# Altium PCB ANALOG_Mezzanine.PcbDoc (part 3 of 3)
Units mm, origin at the board's own origin, x right, y up, seen from the top; angles counter-clockwise.
Board outline 133.2 x 100 mm, 4 copper layers (Top Layer, Mid-Layer 1, Mid-Layer 2, Bottom Layer), stack 2.051 mm thick; 365 components, 255 nets, 1154 pads, 339 vias.
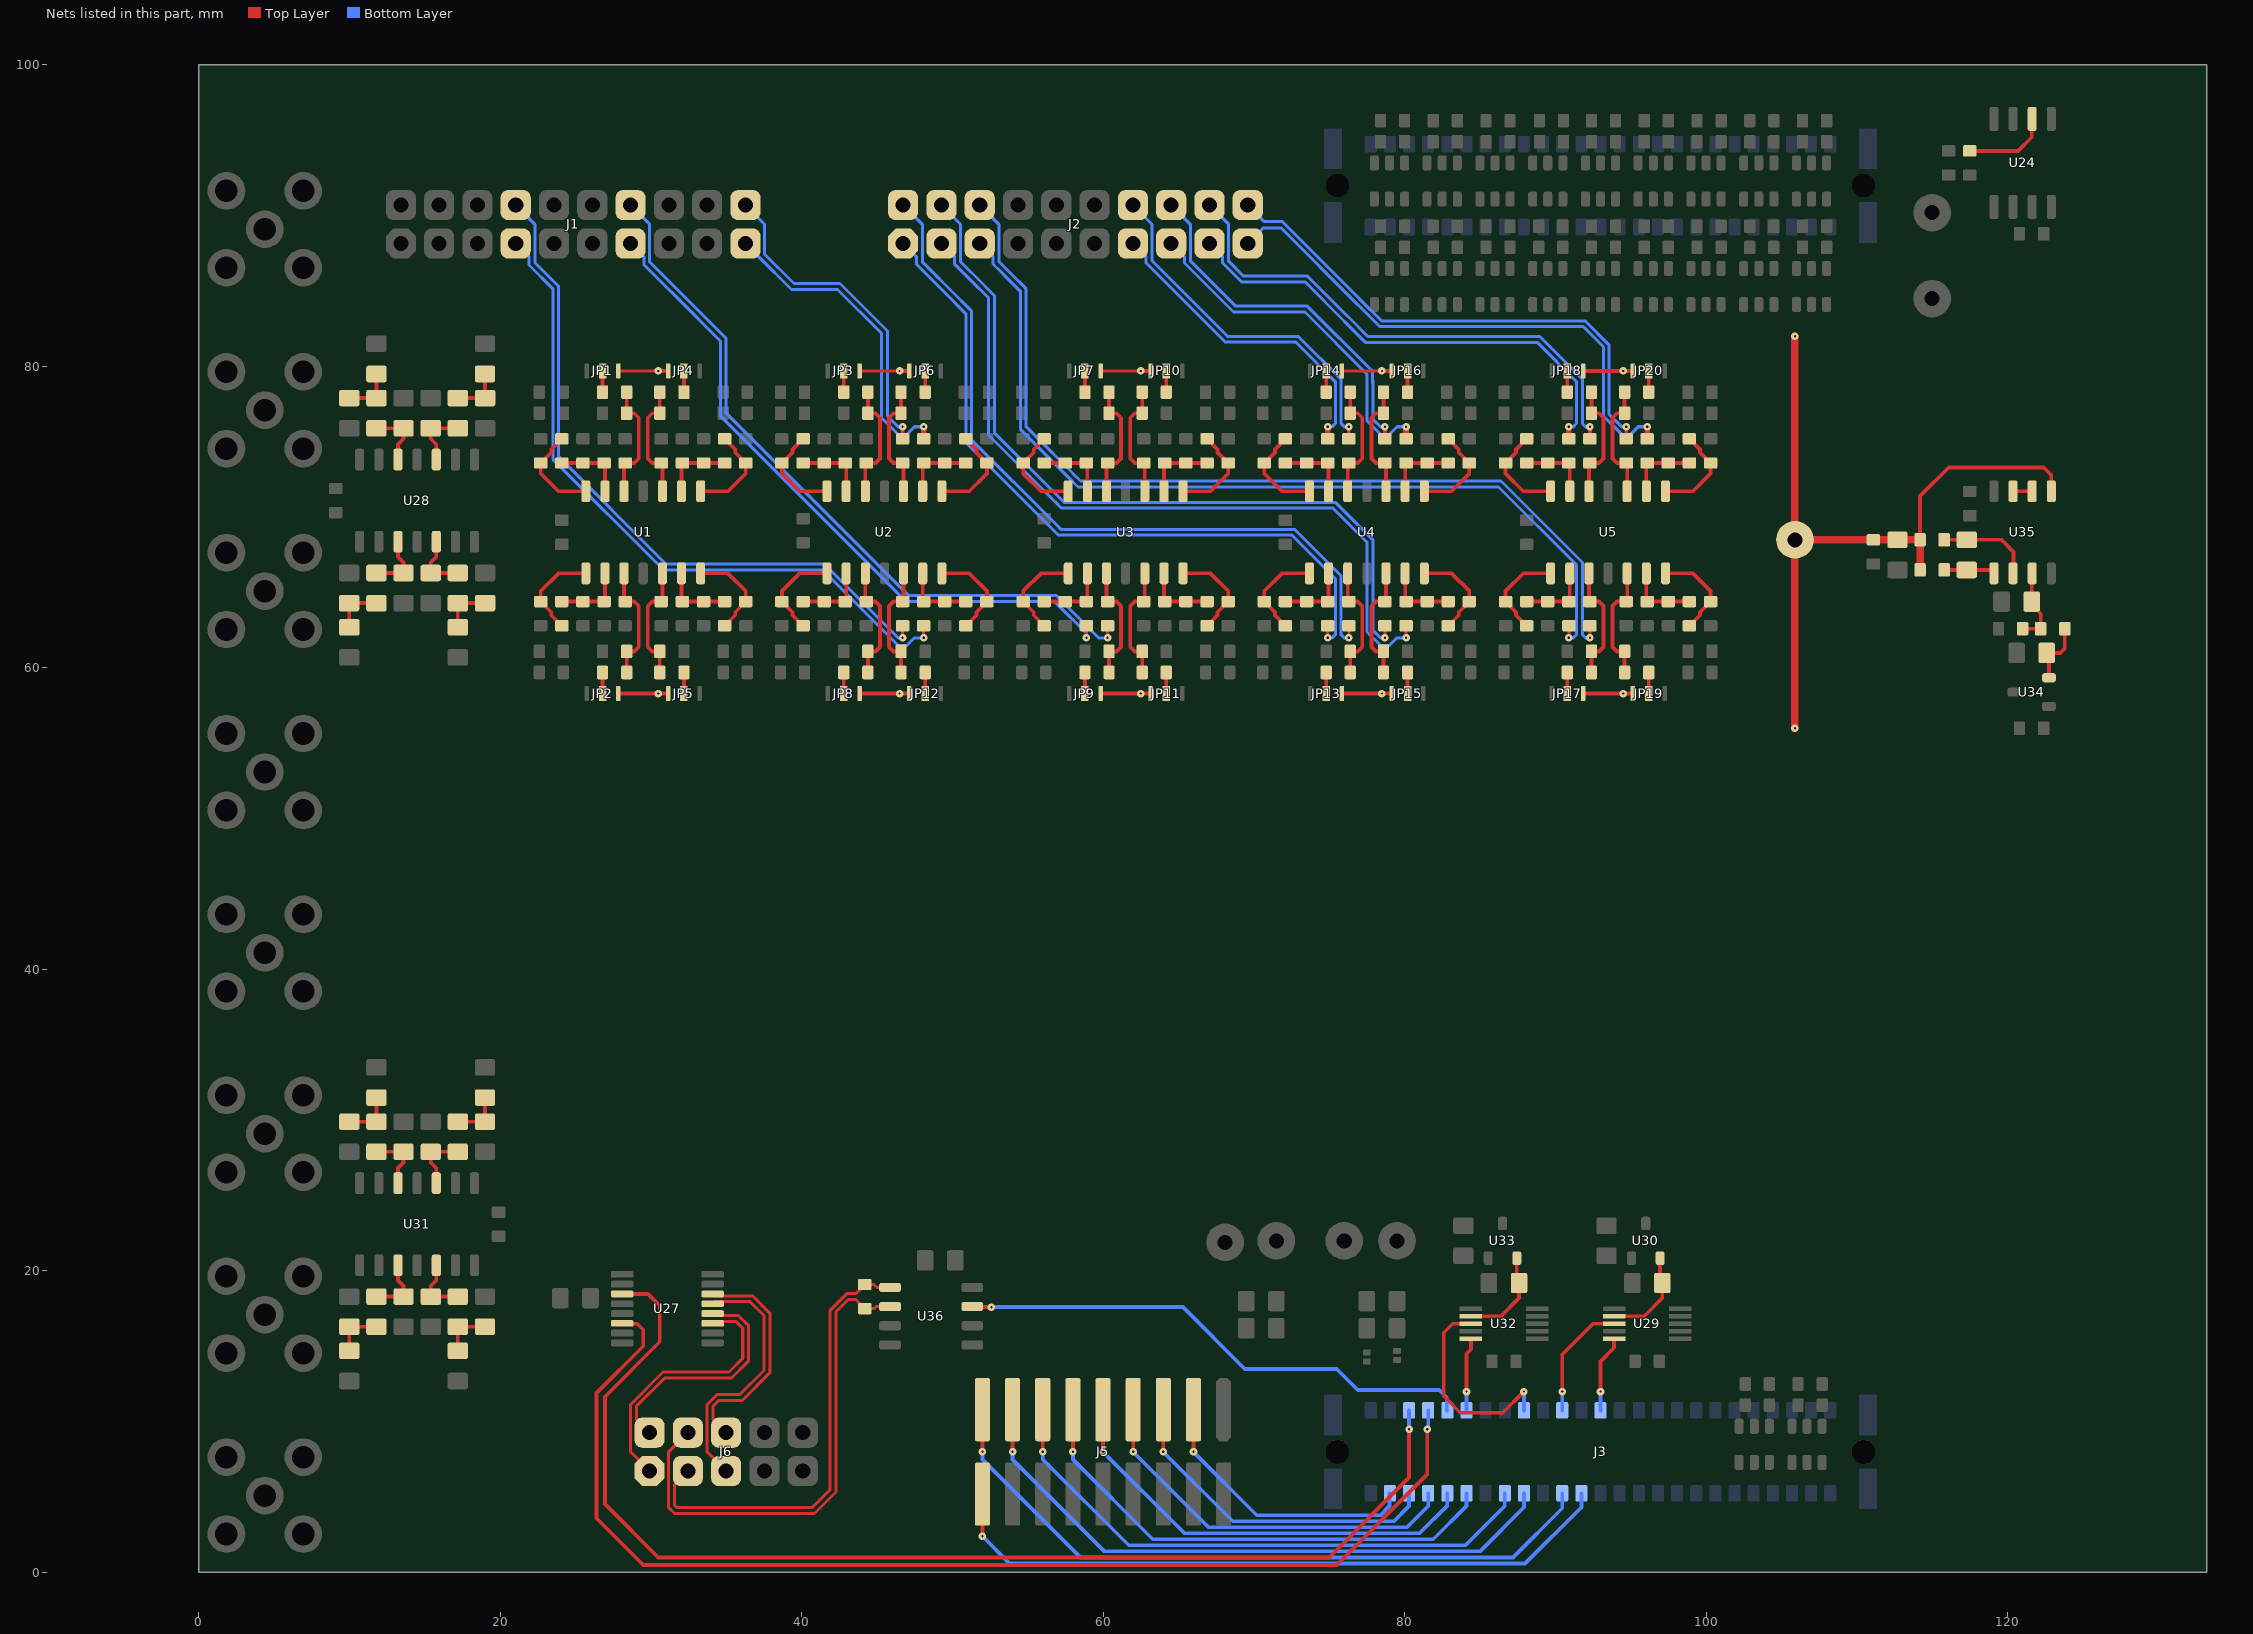
[diagram p5: the nets of this part, all layers, seen from the top]

## Via types
v1: diameter 0.5, hole 0.15, Top Layer to Bottom Layer, tented both sides, 339 vias

## Nets (pads, with @x,y where several pads share a name; then routed paths per layer and width w, separated by ;. In a path a pad name is that pad's centre, name@x,y a point inside that pad or via, vN(x,y) a via of type N, cw(c..) or ccw(c..) an arc to the next point about the centre after c; other vN are vias at no path point) (continued)
MEAS_10_N: J1.19 R23.1 | length 21.7
  Top Layer w0.381: R23.1@48.1,75.2 v1(48.1,76)
  Bottom Layer w0.2: J1.19@36.28,88.16 37.16,87.28 37.168,87.28 39.338,85.11 42.39,85.11 45.3,82.2 45.3,76.6 45.8,76.1 ; 45.546,76.354 46.4,75.5 47,75.5 47.5,76 v1(48.1,76)
MEAS_10_P: J1.20 R29.1 | length 21.8
  Top Layer w0.25: R29.1@46.7,75.2 v1(46.7,76)
  Bottom Layer w0.2: J1.20@36.28,90.7 37.55,89.43 37.55,87.45 39.5,85.5 42.552,85.5 45.7,82.352 45.7,76.7 46.4,76 v1(46.7,76)
MEAS_11_N: J1.13 R42.1 | length 45.3
  Top Layer w0.2: v1(58.9,62) R42.1@58.9,62.8
  Bottom Layer w0.2: J1.13@28.66,88.16 29.54,87.28 29.54,86.76 33.176,83.124 33.29,83.01 34.61,81.69 34.61,76.738 46.948,64.4 56.8,64.4 58.9,62.3 v1(58.9,62)
MEAS_11_P: J1.14 R48.1 | length 48.7
  Top Layer w0.2: v1(60.3,62) R48.1@60.3,62.8
  Bottom Layer w0.2: J1.14@28.66,90.7 29.93,89.43 29.93,86.922 35,81.852 35,76.9 47.11,64.79 56.91,64.79 59.7,62 v1(60.3,62)
MEAS_12_N: J1.7 R59.1 | length 46.1
  Top Layer w0.2: v1(48.1,62) R59.1@48.1,62.8
  Bottom Layer w0.2: J1.7@21.04,88.16 21.92,87.28 21.92,86.728 23.5,85.148 23.5,73.848 30.838,66.51 41.39,66.51 46.4,61.5 47,61.5 47.5,62 v1(48.1,62)
MEAS_12_P: J1.8 R65.1 | length 46.5
  Top Layer w0.2: v1(46.7,62) R65.1@46.7,62.8
  Bottom Layer w0.2: J1.8@21.04,90.7 22.31,89.43 22.31,86.89 23.89,85.31 23.89,74.01 31,66.9 41.5,66.9 46.4,62 v1(46.7,62)
MEAS_13_N: J2.13 R76.1 | length 21.7
  Top Layer w0.381: R76.1@74.9,75.2 v1(74.9,76)
  Bottom Layer w0.2: J2.13@61.98,88.16 62.86,87.28 62.86,86.86 68.102,81.618 72.782,81.618 75.41,78.99 75.41,76.21 75.2,76 v1(74.9,76)
MEAS_13_P: J2.14 R80.1 | length 24.4
  Top Layer w0.25: R80.1@76.3,75.2 v1(76.3,76)
  Bottom Layer w0.2: J2.14@61.98,90.7 63.25,89.43 63.25,87.01 68.26,82 72.94,82 75.794,79.146 ; 75.8,79.152 75.8,76.2 76,76 v1(76.3,76)
MEAS_14_N: J2.15 R88.1 | length 23.9
  Top Layer w0.381: R88.1@80.1,75.2 v1(80.1,76)
  Bottom Layer w0.2: J2.15@64.52,88.16 65.4,87.28 65.4,86.86 68.65,83.61 73.39,83.61 77.5,79.5 77.5,78.9 ; 77.51,78.89 77.51,76.39 78.4,75.5 79,75.5 79.5,76 v1(80.1,76)
MEAS_14_P: J2.16 R92.1 | length 24.5
  Top Layer w0.25: R92.1@78.7,75.2 v1(78.7,76)
  Bottom Layer w0.2: J2.16@64.52,90.7 65.79,89.43 65.79,87.01 68.8,84 73.552,84 77.89,79.662 77.89,78.9 ; 77.9,79.052 77.9,76.5 78.4,76 v1(78.7,76)
MEAS_15_N: J2.1 R75.1 | length 48.3
  Top Layer w0.2: v1(74.9,62) R75.1@74.9,62.8
  Bottom Layer w0.2: J2.1@46.74,88.16 47.62,87.28 47.62,86.778 50.074,84.324 50.4,83.998 50.9,83.498 50.9,74.948 56.6,69.248 57.038,68.81 72.538,68.81 75.41,65.938 75.41,62.21 75.2,62 v1(74.9,62)
MEAS_15_P: J2.2 R79.1 | length 51
  Top Layer w0.2: v1(76.3,62) R79.1@76.3,62.8
  Bottom Layer w0.2: J2.2@46.74,90.7 48.01,89.43 48.01,86.94 50.35,84.6 50.79,84.16 51.29,83.66 51.29,75.11 56.876,69.524 57.2,69.2 72.7,69.2 75.8,66.1 75.8,62.2 76,62 v1(76.3,62)
MEAS_16_N: J2.3 R87.1 | length 52.8
  Top Layer w0.2: v1(80.1,62) R87.1@80.1,62.8
  Bottom Layer w0.2: J2.3@49.28,88.16 50.16,87.28 50.16,86.788 51.724,85.224 51.9,85.048 52.4,84.548 52.4,75.448 57.248,70.6 ; 56.824,71.024 57.248,70.6 ; 77.546,62.354 78.4,61.5 79,61.5 79.5,62 v1(80.1,62) ; 77.7,62.2 77.51,62.39 77.51,68.338 75.248,70.6 57.248,70.6
MEAS_16_P: J2.4 R91.1 | length 52.4
  Top Layer w0.2: v1(78.7,62) R91.1@78.7,62.8
  Bottom Layer w0.2: J2.4@49.28,90.7 50.55,89.43 50.55,86.95 52,85.5 52.29,85.21 52.79,84.71 52.79,75.61 57.1,71.3 57.41,70.99 75.41,70.99 77.9,68.5 77.9,62.5 78.4,62 v1(78.7,62)
MEAS_17_N: J2.17 R100.1 | length 32.7
  Top Layer w0.381: R100.1@90.9,75.2 v1(90.9,76)
  Bottom Layer w0.2: J2.17@67.06,88.16 67.94,87.28 67.94,86.86 69.19,85.61 73.39,85.61 76.09,82.91 ; 76,83 77.4,81.6 88.8,81.6 91.41,78.99 91.41,76.21 91.2,76 v1(90.9,76)
MEAS_17_P: J2.18 R104.1 | length 35.3
  Top Layer w0.25: R104.1@92.3,75.2 v1(92.3,76)
  Bottom Layer w0.2: J2.18@67.06,90.7 68.33,89.43 68.33,86.97 69.3,86 73.552,86 76.252,83.3 ; 76.276,83.276 77.562,81.99 88.962,81.99 91.8,79.152 91.8,76.2 92,76 v1(92.3,76)
MEAS_18_N: J2.19 R112.1 | length 36.5
  Top Layer w0.381: R112.1@96.1,75.2 v1(96.1,76)
  Bottom Layer w0.2: J2.19@69.6,88.16 70.64,89.2 71.8,89.2 76.9,84.1 ; 76.75,84.25 78.354,82.646 91.854,82.646 93.2,81.3 93.2,76.7 94.4,75.5 95,75.5 95.5,76 v1(96.1,76)
MEAS_18_P: J2.20 R116.1 | length 34.7
  Top Layer w0.25: R116.1@94.7,75.2 v1(94.7,76)
  Bottom Layer w0.2: J2.20@69.6,90.7 70.7,89.6 71.9,89.6 77.046,84.454 ; 77,84.5 78.5,83 92,83 93.554,81.446 93.554,76.846 94.4,76 v1(94.7,76)
MEAS_19_N: J2.5 R99.1 | length 60.1
  Top Layer w0.2: v1(90.9,62) R99.1@90.9,62.8
  Bottom Layer w0.2: J2.5@51.82,88.16 52.7,87.28 52.7,86.8 53.224,86.276 53.51,85.99 54.51,84.99 54.51,75.838 57.7,72.648 58.338,72.01 86.238,72.01 91.41,66.838 91.41,62.21 91.2,62 v1(90.9,62)
MEAS_19_P: J2.6 R103.1 | length 63.5
  Top Layer w0.2: v1(92.3,62) R103.1@92.3,62.8
  Bottom Layer w0.2: J2.6@51.82,90.7 53.09,89.43 53.09,86.962 53.5,86.552 53.9,86.152 54.9,85.152 54.9,76 58.5,72.4 ; 57.976,72.924 58.5,72.4 ; v1(92.3,62) 92,62 91.8,62.2 91.8,67 86.4,72.4 58.5,72.4
NetC1_1: C1.1 R7.1 U1.14 | length 6.4
  Top Layer w0.25: C1.1@24.1,75.2 23.4,74.5 23.4,74.3 R7.1@22.7,73.6 22.7,72.9 23.875,71.725 U1.14@25.69,71.725
NetC1_2: C1.2 R1.1 R4.2 U1.13 | length 4.7
  Top Layer w0.25: C1.2@24.1,73.6 R1.1@25.5,73.6 R4.2@26.9,73.6 26.96,73.54 U1.13@26.96,71.725
NetC2_1: C2.1 R8.1 U2.14 | length 6.4
  Top Layer w0.25: C2.1@40.1,75.2 39.4,74.5 39.4,74.3 R8.1@38.7,73.6 38.7,72.9 39.875,71.725 U2.14@41.69,71.725
NetC2_2: C2.2 R2.1 R5.2 U2.13 | length 4.7
  Top Layer w0.25: C2.2@40.1,73.6 R2.1@41.5,73.6 R5.2@42.9,73.6 42.96,73.54 U2.13@42.96,71.725
NetC3_1: C3.1 R9.1 U1.1 | length 6.4
  Top Layer w0.25: C3.1@24.1,62.8 23.4,63.5 23.4,63.7 R9.1@22.7,64.4 22.7,65.1 23.875,66.275 U1.1@25.69,66.275
NetC3_2: C3.2 R3.1 R6.2 U1.2 | length 4.7
  Top Layer w0.25: C3.2@24.1,64.4 R3.1@25.5,64.4 R6.2@26.9,64.4 26.96,64.46 U1.2@26.96,66.275
NetC7_2: C7.2 R10.2 R16.1 U1.12 | length 8
  Top Layer w0.25: U1.12@28.23,71.725 28.23,73.53 R10.2@28.3,73.6 28.9,73.6 29.2,73.9 29.2,76.6 28.9,76.9 C7.2@28.4,76.9 R16.1@28.4,78.3
NetC8_2: C8.2 R12.2 R17.1 U1.3 | length 8
  Top Layer w0.25: U1.3@28.23,66.275 28.23,64.47 R12.2@28.3,64.4 28.9,64.4 29.2,64.1 29.2,61.4 28.9,61.1 C8.2@28.4,61.1 R17.1@28.4,59.7
NetC9_2: C9.2 R11.2 R18.1 U2.12 | length 8
  Top Layer w0.25: U2.12@44.23,71.725 44.23,73.53 R11.2@44.3,73.6 44.9,73.6 45.2,73.9 45.2,76.6 44.9,76.9 C9.2@44.4,76.9 R18.1@44.4,78.3
NetC10_1: C10.1 R25.1 U1.8 | length 6.4
  Top Layer w0.25: U1.8@33.31,71.725 35.125,71.725 36.3,72.9 R25.1@36.3,73.6 35.6,74.3 35.6,74.5 C10.1@34.9,75.2
NetC10_2: C10.2 R19.1 R22.2 U1.9 | length 4.7
  Top Layer w0.25: U1.9@32.04,71.725 32.04,73.54 R22.2@32.1,73.6 R19.1@33.5,73.6 C10.2@34.9,73.6
NetC11_1: C11.1 R26.1 U2.8 | length 6.4
  Top Layer w0.25: U2.8@49.31,71.725 51.125,71.725 52.3,72.9 R26.1@52.3,73.6 51.6,74.3 51.6,74.5 C11.1@50.9,75.2
NetC11_2: C11.2 R20.1 R23.2 U2.9 | length 4.7
  Top Layer w0.25: U2.9@48.04,71.725 48.04,73.54 R23.2@48.1,73.6 R20.1@49.5,73.6 C11.2@50.9,73.6
NetC12_1: C12.1 R27.1 U1.7 | length 6.4
  Top Layer w0.25: U1.7@33.31,66.275 35.125,66.275 36.3,65.1 R27.1@36.3,64.4 35.6,63.7 35.6,63.5 C12.1@34.9,62.8
NetC12_2: C12.2 R21.1 R24.2 U1.6 | length 4.7
  Top Layer w0.25: U1.6@32.04,66.275 32.04,64.46 R24.2@32.1,64.4 R21.1@33.5,64.4 C12.2@34.9,64.4
NetC16_2: C16.2 R28.2 R34.1 U1.10 | length 8
  Top Layer w0.25: R34.1@30.6,78.3 C16.2@30.6,76.9 30.1,76.9 29.8,76.6 29.8,73.9 30.1,73.6 R28.2@30.7,73.6 30.77,73.53 U1.10@30.77,71.725
NetC17_2: C17.2 R30.2 R35.1 U1.5 | length 8
  Top Layer w0.25: R35.1@30.6,59.7 C17.2@30.6,61.1 30.1,61.1 29.8,61.4 29.8,64.1 30.1,64.4 R30.2@30.7,64.4 30.77,64.47 U1.5@30.77,66.275
NetC18_2: C18.2 R29.2 R36.1 U2.10 | length 8
  Top Layer w0.25: R36.1@46.6,78.3 C18.2@46.6,76.9 46.1,76.9 45.8,76.6 45.8,73.9 46.1,73.6 R29.2@46.7,73.6 46.77,73.53 U2.10@46.77,71.725
NetC19_1: C19.1 R43.1 U3.14 | length 6.4
  Top Layer w0.25: C19.1@56.1,75.2 55.4,74.5 55.4,74.3 R43.1@54.7,73.6 54.7,72.9 55.875,71.725 U3.14@57.69,71.725
NetC19_2: C19.2 R37.1 R40.2 U3.13 | length 4.7
  Top Layer w0.25: C19.2@56.1,73.6 R37.1@57.5,73.6 R40.2@58.9,73.6 58.96,73.54 U3.13@58.96,71.725
NetC20_1: C20.1 R44.1 U2.1 | length 6.4
  Top Layer w0.25: C20.1@40.1,62.8 39.4,63.5 39.4,63.7 R44.1@38.7,64.4 38.7,65.1 39.875,66.275 U2.1@41.69,66.275
NetC20_2: C20.2 R38.1 R41.2 U2.2 | length 4.7
  Top Layer w0.25: C20.2@40.1,64.4 R38.1@41.5,64.4 R41.2@42.9,64.4 42.96,64.46 U2.2@42.96,66.275
NetC21_1: C21.1 R45.1 U3.1 | length 6.4
  Top Layer w0.25: C21.1@56.1,62.8 55.4,63.5 55.4,63.7 R45.1@54.7,64.4 54.7,65.1 55.875,66.275 U3.1@57.69,66.275
NetC21_2: C21.2 R39.1 R42.2 U3.2 | length 4.7
  Top Layer w0.25: C21.2@56.1,64.4 R39.1@57.5,64.4 R42.2@58.9,64.4 58.96,64.46 U3.2@58.96,66.275
NetC25_2: C25.2 R46.2 R52.1 U3.12 | length 8
  Top Layer w0.25: U3.12@60.23,71.725 60.23,73.53 R46.2@60.3,73.6 60.9,73.6 61.2,73.9 61.2,76.6 60.9,76.9 C25.2@60.4,76.9 R52.1@60.4,78.3
NetC26_2: C26.2 R47.2 R53.1 U2.3 | length 8
  Top Layer w0.25: U2.3@44.23,66.275 44.23,64.47 R47.2@44.3,64.4 44.9,64.4 45.2,64.1 45.2,61.4 44.9,61.1 C26.2@44.4,61.1 R53.1@44.4,59.7
NetC27_2: C27.2 R48.2 R54.1 U3.3 | length 8
  Top Layer w0.25: U3.3@60.23,66.275 60.23,64.47 R48.2@60.3,64.4 60.9,64.4 61.2,64.1 61.2,61.4 60.9,61.1 C27.2@60.4,61.1 R54.1@60.4,59.7
NetC28_1: C28.1 R61.1 U3.8 | length 6.4
  Top Layer w0.25: U3.8@65.31,71.725 67.125,71.725 68.3,72.9 R61.1@68.3,73.6 67.6,74.3 67.6,74.5 C28.1@66.9,75.2
NetC28_2: C28.2 R55.1 R58.2 U3.9 | length 4.7
  Top Layer w0.25: U3.9@64.04,71.725 64.04,73.54 R58.2@64.1,73.6 R55.1@65.5,73.6 C28.2@66.9,73.6
NetC29_1: C29.1 R62.1 U2.7 | length 6.4
  Top Layer w0.25: U2.7@49.31,66.275 51.125,66.275 52.3,65.1 R62.1@52.3,64.4 51.6,63.7 51.6,63.5 C29.1@50.9,62.8
NetC29_2: C29.2 R56.1 R59.2 U2.6 | length 4.7
  Top Layer w0.25: U2.6@48.04,66.275 48.04,64.46 R59.2@48.1,64.4 R56.1@49.5,64.4 C29.2@50.9,64.4
NetC30_1: C30.1 R63.1 U3.7 | length 6.4
  Top Layer w0.25: U3.7@65.31,66.275 67.125,66.275 68.3,65.1 R63.1@68.3,64.4 67.6,63.7 67.6,63.5 C30.1@66.9,62.8
NetC30_2: C30.2 R57.1 R60.2 U3.6 | length 4.7
  Top Layer w0.25: U3.6@64.04,66.275 64.04,64.46 R60.2@64.1,64.4 R57.1@65.5,64.4 C30.2@66.9,64.4
NetC34_2: C34.2 R64.2 R70.1 U3.10 | length 8
  Top Layer w0.25: R70.1@62.6,78.3 C34.2@62.6,76.9 62.1,76.9 61.8,76.6 61.8,73.9 62.1,73.6 R64.2@62.7,73.6 62.77,73.53 U3.10@62.77,71.725
NetC35_2: C35.2 R66.2 R71.1 U3.5 | length 8
  Top Layer w0.25: R71.1@62.6,59.7 C35.2@62.6,61.1 62.1,61.1 61.8,61.4 61.8,64.1 62.1,64.4 R66.2@62.7,64.4 62.77,64.47 U3.5@62.77,66.275
NetC36_2: C36.2 R65.2 R72.1 U2.5 | length 8
  Top Layer w0.25: R72.1@46.6,59.7 C36.2@46.6,61.1 46.1,61.1 45.8,61.4 45.8,64.1 46.1,64.4 R65.2@46.7,64.4 46.77,64.47 U2.5@46.77,66.275
NetC40_1: C40.1 R77.1 U4.1 | length 6.4
  Top Layer w0.25: C40.1@72.1,62.8 71.4,63.5 71.4,63.7 R77.1@70.7,64.4 70.7,65.1 71.875,66.275 U4.1@73.69,66.275
NetC40_2: C40.2 R73.1 R75.2 U4.2 | length 4.7
  Top Layer w0.25: C40.2@72.1,64.4 R73.1@73.5,64.4 R75.2@74.9,64.4 74.96,64.46 U4.2@74.96,66.275
NetC41_1: C41.1 R78.1 U4.14 | length 6.4
  Top Layer w0.25: C41.1@72.1,75.2 71.4,74.5 71.4,74.3 R78.1@70.7,73.6 70.7,72.9 71.875,71.725 U4.14@73.69,71.725
NetC41_2: C41.2 R74.1 R76.2 U4.13 | length 4.7
  Top Layer w0.25: C41.2@72.1,73.6 R74.1@73.5,73.6 R76.2@74.9,73.6 74.96,73.54 U4.13@74.96,71.725
NetC44_2: C44.2 R79.2 R83.1 U4.3 | length 8
  Top Layer w0.25: U4.3@76.23,66.275 76.23,64.47 R79.2@76.3,64.4 76.9,64.4 77.2,64.1 77.2,61.4 76.9,61.1 C44.2@76.4,61.1 R83.1@76.4,59.7
NetC45_2: C45.2 R80.2 R84.1 U4.12 | length 8
  Top Layer w0.25: U4.12@76.23,71.725 76.23,73.53 R80.2@76.3,73.6 76.9,73.6 77.2,73.9 77.2,76.6 76.9,76.9 C45.2@76.4,76.9 R84.1@76.4,78.3
NetC46_1: C46.1 R89.1 U4.7 | length 6.4
  Top Layer w0.25: U4.7@81.31,66.275 83.125,66.275 84.3,65.1 R89.1@84.3,64.4 83.6,63.7 83.6,63.5 C46.1@82.9,62.8
NetC46_2: C46.2 R85.1 R87.2 U4.6 | length 4.7
  Top Layer w0.25: U4.6@80.04,66.275 80.04,64.46 R87.2@80.1,64.4 R85.1@81.5,64.4 C46.2@82.9,64.4
NetC47_1: C47.1 R90.1 U4.8 | length 6.4
  Top Layer w0.25: U4.8@81.31,71.725 83.125,71.725 84.3,72.9 R90.1@84.3,73.6 83.6,74.3 83.6,74.5 C47.1@82.9,75.2
NetC47_2: C47.2 R86.1 R88.2 U4.9 | length 4.7
  Top Layer w0.25: U4.9@80.04,71.725 80.04,73.54 R88.2@80.1,73.6 R86.1@81.5,73.6 C47.2@82.9,73.6
NetC51_2: C51.2 R91.2 R95.1 U4.5 | length 8
  Top Layer w0.25: R95.1@78.6,59.7 C51.2@78.6,61.1 78.1,61.1 77.8,61.4 77.8,64.1 78.1,64.4 R91.2@78.7,64.4 78.77,64.47 U4.5@78.77,66.275
NetC52_2: C52.2 R92.2 R96.1 U4.10 | length 8
  Top Layer w0.25: R96.1@78.6,78.3 C52.2@78.6,76.9 78.1,76.9 77.8,76.6 77.8,73.9 78.1,73.6 R92.2@78.7,73.6 78.77,73.53 U4.10@78.77,71.725
NetC54_1: C54.1 R101.1 U5.1 | length 6.4
  Top Layer w0.25: C54.1@88.1,62.8 87.4,63.5 87.4,63.7 R101.1@86.7,64.4 86.7,65.1 87.875,66.275 U5.1@89.69,66.275
NetC54_2: C54.2 R97.1 R99.2 U5.2 | length 4.7
  Top Layer w0.25: C54.2@88.1,64.4 R97.1@89.5,64.4 R99.2@90.9,64.4 90.96,64.46 U5.2@90.96,66.275
NetC55_1: C55.1 R102.1 U5.14 | length 6.4
  Top Layer w0.25: C55.1@88.1,75.2 87.4,74.5 87.4,74.3 R102.1@86.7,73.6 86.7,72.9 87.875,71.725 U5.14@89.69,71.725
NetC55_2: C55.2 R98.1 R100.2 U5.13 | length 4.7
  Top Layer w0.25: C55.2@88.1,73.6 R98.1@89.5,73.6 R100.2@90.9,73.6 90.96,73.54 U5.13@90.96,71.725
NetC58_2: C58.2 R103.2 R107.1 U5.3 | length 8
  Top Layer w0.25: U5.3@92.23,66.275 92.23,64.47 R103.2@92.3,64.4 92.9,64.4 93.2,64.1 93.2,61.4 92.9,61.1 C58.2@92.4,61.1 R107.1@92.4,59.7
NetC59_2: C59.2 R104.2 R108.1 U5.12 | length 8
  Top Layer w0.25: U5.12@92.23,71.725 92.23,73.53 R104.2@92.3,73.6 92.9,73.6 93.2,73.9 93.2,76.6 92.9,76.9 C59.2@92.4,76.9 R108.1@92.4,78.3
NetC60_1: C60.1 R113.1 U5.7 | length 6.4
  Top Layer w0.25: U5.7@97.31,66.275 99.125,66.275 100.3,65.1 R113.1@100.3,64.4 99.6,63.7 99.6,63.5 C60.1@98.9,62.8
NetC60_2: C60.2 R109.1 R111.2 U5.6 | length 4.7
  Top Layer w0.25: U5.6@96.04,66.275 96.04,64.46 R111.2@96.1,64.4 R109.1@97.5,64.4 C60.2@98.9,64.4
NetC61_1: C61.1 R114.1 U5.8 | length 6.4
  Top Layer w0.25: U5.8@97.31,71.725 99.125,71.725 100.3,72.9 R114.1@100.3,73.6 99.6,74.3 99.6,74.5 C61.1@98.9,75.2
NetC61_2: C61.2 R110.1 R112.2 U5.9 | length 4.7
  Top Layer w0.25: U5.9@96.04,71.725 96.04,73.54 R112.2@96.1,73.6 R110.1@97.5,73.6 C61.2@98.9,73.6
NetC64_2: C64.2 R115.2 R119.1 U5.5 | length 8
  Top Layer w0.25: R119.1@94.6,59.7 C64.2@94.6,61.1 94.1,61.1 93.8,61.4 93.8,64.1 94.1,64.4 R115.2@94.7,64.4 94.77,64.47 U5.5@94.77,66.275
NetC65_2: C65.2 R116.2 R120.1 U5.10 | length 8
  Top Layer w0.25: R120.1@94.6,78.3 C65.2@94.6,76.9 94.1,76.9 93.8,76.6 93.8,73.9 94.1,73.6 R116.2@94.7,73.6 94.77,73.53 U5.10@94.77,71.725
NetC109_1: C109.1 R121.2 R122.1 | length 3.4
  Top Layer w0.25: R122.1@17.2,77.9 19,77.9 R121.2@19,79.5
NetC110_2: C110.2 R122.2 U28.3 | length 4
  Top Layer w0.25: U28.3@15.77,73.825 15.77,74.83 15.4,75.2 C110.2@15.4,75.9 R122.2@17.2,75.9
NetC112_1: C112.1 R123.2 R124.1 | length 3.4
  Top Layer w0.25: C112.1@10,77.9 R124.1@11.8,77.9 R123.2@11.8,79.5
NetC113_2: C113.2 R124.2 U28.5 | length 4
  Top Layer w0.25: R124.2@11.8,75.9 C113.2@13.6,75.9 13.6,75.2 13.23,74.83 U28.5@13.23,73.825
NetC115_2: C115.2 U29.7 U30.2 | length 6.4
  Top Layer w0.25: U29.7@93.9,17 95.9,17 97.1,18.2 C115.2@97.1,19.2 96.95,19.35 U30.2@96.95,20.85
NetC116_1: C116.1 R125.2 R126.1 | length 3.4
  Top Layer w0.25: R125.2@10,62.7 10,64.3 R126.1@11.8,64.3
NetC118_2: C118.2 R126.2 U28.10 | length 4
  Top Layer w0.25: R126.2@11.8,66.3 C118.2@13.6,66.3 13.6,67 13.23,67.37 U28.10@13.23,68.375
NetC119_1: C119.1 R127.2 R128.1 | length 3.4
  Top Layer w0.25: R127.2@17.2,62.7 R128.1@17.2,64.3 C119.1@19,64.3
NetC120_2: C120.2 R128.2 U28.12 | length 4
  Top Layer w0.25: U28.12@15.77,68.375 15.77,67.37 15.4,67 C120.2@15.4,66.3 R128.2@17.2,66.3
NetC121_1: C121.1 R129.2 R130.1 | length 3.4
  Top Layer w0.25: R130.1@17.2,29.9 C121.1@19,29.9 R129.2@19,31.5
NetC122_2: C122.2 R130.2 U31.3 | length 4
  Top Layer w0.25: U31.3@15.77,25.825 15.77,26.83 15.4,27.2 C122.2@15.4,27.9 R130.2@17.2,27.9
NetC123_1: C123.1 R131.2 R132.1 | length 3.4
  Top Layer w0.25: C123.1@10,29.9 R132.1@11.8,29.9 R131.2@11.8,31.5
NetC124_2: C124.2 R132.2 U31.5 | length 4
  Top Layer w0.25: R132.2@11.8,27.9 C124.2@13.6,27.9 13.6,27.2 13.23,26.83 U31.5@13.23,25.825
NetC126_2: C126.2 U32.7 U33.2 | length 6.4
  Top Layer w0.25: U32.7@84.4,17 86.4,17 87.6,18.2 C126.2@87.6,19.2 87.45,19.35 U33.2@87.45,20.85
NetC128_1: C128.1 R133.2 R134.1 | length 3.4
  Top Layer w0.25: R133.2@10,14.7 C128.1@10,16.3 R134.1@11.8,16.3
NetC130_2: C130.2 R134.2 U31.10 | length 4
  Top Layer w0.25: R134.2@11.8,18.3 C130.2@13.6,18.3 13.6,19 13.23,19.37 U31.10@13.23,20.375
NetC131_1: C131.1 R135.2 R136.1 | length 3.4
  Top Layer w0.25: R135.2@17.2,14.7 R136.1@17.2,16.3 C131.1@19,16.3
NetC132_2: C132.2 R136.2 U31.12 | length 4
  Top Layer w0.25: U31.12@15.77,20.375 15.77,19.37 15.4,19 C132.2@15.4,18.3 R136.2@17.2,18.3
NetC136_2: C136.2 R137.2 U34.2 | length 4.3
  Top Layer w0.25: U34.2@122.75,59.35 122.75,60.85 C136.2@122.6,61 123.5,61 123.8,61.3 R137.2@123.8,62.6
NetC140_1: C140.1 R141.2 U35.2 | length 6.4
  Top Layer w0.25: R141.2@115.8,68.5 C140.1@117.3,68.5 119.6,68.5 120.4,67.7 120.4,66.275 U35.2@120.365,66.275
NetC140_2: C140.2 R138.2 U35.1 | length 3.5
  Top Layer w0.25: R138.2@115.8,66.5 C140.2@117.3,66.5 119.095,66.5 U35.1@119.095,66.275
NetC141_2: C141.2 R137.1 R140.1 U35.3 | length 5.1
  Top Layer w0.25: R140.1@121,62.6 R137.1@122.2,62.6 122.2,63.6 121.6,64.2 C141.2@121.6,64.4 121.6,66.24 U35.3@121.635,66.275
NetJP1_2: JP1.2 R16.2 | length 1.4
  Top Layer w0.25: R16.2@26.8,78.3 JP1.2@26.8,79.7
NetJP2_2: JP2.2 R17.2 | length 1.4
  Top Layer w0.25: JP2.2@26.8,58.3 R17.2@26.8,59.7
NetJP3_2: JP3.2 R18.2 | length 1.4
  Top Layer w0.25: R18.2@42.8,78.3 JP3.2@42.8,79.7
NetJP4_2: JP4.2 R34.2 | length 1.4
  Top Layer w0.25: R34.2@32.2,78.3 JP4.2@32.2,79.7
NetJP5_2: JP5.2 R35.2 | length 1.4
  Top Layer w0.25: JP5.2@32.2,58.3 R35.2@32.2,59.7
NetJP6_2: JP6.2 R36.2 | length 1.4
  Top Layer w0.25: R36.2@48.2,78.3 JP6.2@48.2,79.7
NetJP7_2: JP7.2 R52.2 | length 1.4
  Top Layer w0.25: R52.2@58.8,78.3 JP7.2@58.8,79.7
NetJP8_2: JP8.2 R53.2 | length 1.4
  Top Layer w0.25: JP8.2@42.8,58.3 R53.2@42.8,59.7
NetJP9_2: JP9.2 R54.2 | length 1.4
  Top Layer w0.25: JP9.2@58.8,58.3 R54.2@58.8,59.7
NetJP10_2: JP10.2 R70.2 | length 1.4
  Top Layer w0.25: R70.2@64.2,78.3 JP10.2@64.2,79.7
NetJP11_2: JP11.2 R71.2 | length 1.4
  Top Layer w0.25: JP11.2@64.2,58.3 R71.2@64.2,59.7
NetJP12_2: JP12.2 R72.2 | length 1.4
  Top Layer w0.25: JP12.2@48.2,58.3 R72.2@48.2,59.7
NetJP13_2: JP13.2 R83.2 | length 1.4
  Top Layer w0.25: JP13.2@74.8,58.3 R83.2@74.8,59.7
NetJP14_2: JP14.2 R84.2 | length 1.4
  Top Layer w0.25: R84.2@74.8,78.3 JP14.2@74.8,79.7
NetJP15_2: JP15.2 R95.2 | length 1.4
  Top Layer w0.25: JP15.2@80.2,58.3 R95.2@80.2,59.7
NetJP16_2: JP16.2 R96.2 | length 1.4
  Top Layer w0.25: R96.2@80.2,78.3 JP16.2@80.2,79.7
NetJP17_2: JP17.2 R107.2 | length 1.4
  Top Layer w0.25: JP17.2@90.8,58.3 R107.2@90.8,59.7
NetJP18_2: JP18.2 R108.2 | length 1.4
  Top Layer w0.25: R108.2@90.8,78.3 JP18.2@90.8,79.7
NetJP19_2: JP19.2 R119.2 | length 1.4
  Top Layer w0.25: JP19.2@96.2,58.3 R119.2@96.2,59.7
NetJP20_2: JP20.2 R120.2 | length 1.4
  Top Layer w0.25: R120.2@96.2,78.3 JP20.2@96.2,79.7
NetR142_1: R142.1 U24.6 | length 5.7
  Top Layer w0.25: R142.1@117.5,94.3 120.7,94.3 121.6,95.2 121.6,96.386 U24.6@121.635,96.421
NetU35_6: U35.6 U35.7 | length 1.3
  Top Layer w0.25: U35.7@120.365,71.725 U35.6@121.635,71.725
REF_1V5: C139.2 JP1.1 JP2.1 JP3.1 JP4.1 JP5.1 JP6.1 JP7.1 JP8.1 JP9.1 JP10.1 JP11.1 JP12.1 JP13.1 JP14.1 JP15.1 JP16.1 JP17.1 JP18.1 JP19.1 JP20.1 R138.1 R139.1 R141.1 TP5.1 U35.5 | length 86.1
  Top Layer w0.2: JP1.1@27.85,79.7 v1(30.5,79.7) ; JP3.1@43.85,79.7 v1(46.5,79.7) ; JP7.1@59.85,79.7 v1(62.5,79.7) ; JP14.1@75.85,79.7 79.1,79.7 JP16.1@79.15,79.7
  Top Layer w0.25: JP2.1@27.85,58.3 v1(30.5,58.3) JP5.1@31.15,58.3 ; v1(30.5,79.7) JP4.1@31.1,79.7 ; JP8.1@43.85,58.3 JP12.1@47.15,58.3 v1(46.5,58.3) ; v1(46.5,79.7) JP6.1@47.1,79.7 ; JP9.1@59.85,58.3 v1(62.5,58.3) JP11.1@63.15,58.3 ; v1(62.5,79.7) JP10.1@63.15,79.7 ; JP13.1@75.85,58.3 JP15.1@79.15,58.3 v1(78.5,58.3) ; v1(78.5,79.7) JP16.1@79.1,79.7 ; JP17.1@91.85,58.3 JP19.1@95.15,58.3 v1(94.5,58.3) ; JP18.1@91.85,79.7 JP20.1@95.15,79.7 ; v1(94.5,79.7) JP20.1@95.15,79.7 ; JP20.1@95.2,79.75 JP20.1@95.15,79.7 ; R141.1@114.2,68.5 114.2,71.4 116.1,73.3 122.4,73.3 122.905,72.795 U35.5@122.905,71.725
  Top Layer w0.5: v1(105.9,56) TP5.1@105.9,68.5 ; v1(105.9,82) TP5.1@105.9,68.5 ; R138.1@114.2,66.5 R141.1@114.2,68.5 C139.2@112.7,68.5 R139.1@111.1,68.5 TP5.1@105.9,68.5
SCIC_RX: J3.a12 J5.18 | length 45.7
  Top Layer w0.25: v1(52,2.4) J5.18@52,5.2
  Bottom Layer w0.25: v1(52,2.4) 53.8,0.6 88,0.6 91.73,4.33 J3.a12@91.73,5.25
SCIC_TX: J3.a11 J5.17 | length 46.8
  Top Layer w0.25: v1@52,8 J5.17@52,10.8
  Bottom Layer w0.25: v1(52,8) 52,7.5 58.5,1 87.2,1 90.46,4.26 J3.a11@90.46,5.25
Spare_0: J3.a2 J5.3 | length 18.7
  Top Layer w0.25: v1(66,8) J5.3@66,10.8
  Bottom Layer w0.25: v1(66,8) 70.2,3.8 78.4,3.8 79,4.4 79,5.25 J3.a2@79.03,5.25
Spare_1: J3.a3 J5.5 | length 22.3
  Top Layer w0.25: v1(64,8) J5.5@64,10.8
  Bottom Layer w0.25: v1(64,8) 68.6,3.4 79.3,3.4 80.3,4.4 J3.a3@80.3,5.25
Spare_2: J3.a4 J5.7 | length 25.9
  Top Layer w0.25: v1(62,8) J5.7@62,10.8
  Bottom Layer w0.25: v1(62,8) 67,3 80.17,3 81.57,4.4 J3.a4@81.57,5.25
Spare_3: J3.a5 J5.9 | length 29.4
  Top Layer w0.25: v1(60,8) J5.9@60,10.8
  Bottom Layer w0.25: v1(60,8) 65.4,2.6 81,2.6 82.84,4.44 J3.a5@82.84,5.25
Spare_4: J3.a6 J5.11 | length 33.4
  Top Layer w0.25: v1(58,8) J5.11@58,10.8
  Bottom Layer w0.25: v1(58,8) 58,7.5 63.3,2.2 81.9,2.2 84.11,4.41 J3.a6@84.11,5.25
Spare_5: J3.a8 J5.13 | length 38.2
  Top Layer w0.25: v1(56,8) J5.13@56,10.8
  Bottom Layer w0.25: v1(56,8) 56,7.5 61.7,1.8 84.05,1.8 86.65,4.4 J3.a8@86.65,5.25
Spare_6: J3.a9 J5.15 | length 41.9
  Top Layer w0.25: v1@54,8 J5.15@54,10.8
  Bottom Layer w0.25: v1(54,8) 54,7.5 60.1,1.4 85,1.4 87.92,4.32 J3.a9@87.92,5.25
SPIA_CLK: J3.b13 U29.10 | length 5.1
  Top Layer w0.25: v1(93,12) 93,14 93.9,14.9 U29.10@93.9,15.5
  Bottom Layer w0.25: J3.b13@93,10.75 v1(93,12)
SPIA_SIMO: J3.b11 U29.8 | length 8
  Top Layer w0.25: v1(90.46,12) 90.46,14.46 92.5,16.5 U29.8@93.9,16.5
  Bottom Layer w0.25: J3.b11@90.46,10.75 v1(90.46,12)
SPIB_CLK: J3.b6 U32.10 | length 4.9
  Top Layer w0.25: v1(84.11,12) 84.11,14.51 84.4,14.8 U32.10@84.4,15.5
  Bottom Layer w0.25: J3.b6@84.11,10.75 v1(84.11,12)
SPIB_SIMO: J3.b9 U32.8 | length 13.9
  Top Layer w0.25: U32.8@84.4,16.5 83.2,16.5 82.6,15.9 82.6,11.7 83.7,10.6 86.52,10.6 v1(87.92,12)
  Bottom Layer w0.25: J3.b9@87.92,10.75 v1(87.92,12)
SPIC_CLK: J3.b3 U27.3 | length 78.9
  Top Layer w0.25: U27.3@28.1,18.475 29.825,18.475 30.6,17.7 30.6,15.3 26.96,11.66 26.96,4.54 30.5,1 75,1 80.3,6.3 v1(80.3,9.5)
  Bottom Layer w0.25: v1(80.3,9.5) J3.b3@80.3,10.75
SPIC_CLK_N: J6.5 U27.13 | length 17.1
  Top Layer w0.2: U27.13@34.1,17.825 34.235,17.96 36.588,17.96 37.51,17.038 37.51,13.402 35.908,11.8 34.4,11.8 33.73,11.13 33.73,8 J6.5@35,6.73
SPIC_CLK_P: J6.6 U27.14 | length 15.1
  Top Layer w0.2: U27.14@34.1,18.475 34.225,18.35 36.75,18.35 37.9,17.2 37.9,13.24 36.06,11.4 34.5,11.4 34.12,11.02 34.12,10.15 J6.6@35,9.27
SPIC_SIMO: J3.b4 U27.6 | length 78.5
  Top Layer w0.25: U27.6@28.1,16.525 28.175,16.525 28.2,16.5 29.1,16.5 29.5,16.1 29.5,15 26.4,11.9 26.4,3.6 29.5,0.5 75.5,0.5 81.5,6.5 v1(81.5,9.5)
  Bottom Layer w0.25: v1(81.5,9.5) 81.57,9.57 J3.b4@81.57,10.75
SPIC_SIMO_N: J6.1 U27.11 | length 17.9
  Top Layer w0.2: J6.1@29.92,6.73 28.65,8 28.65,11.13 30.81,13.29 35.19,13.29 36.1,14.2 36.1,16.2 35.64,16.66 34.235,16.66 U27.11@34.1,16.525
SPIC_SIMO_P: J6.2 U27.12 | length 15.9
  Top Layer w0.2: J6.2@29.92,9.27 29.04,10.15 29.04,11.02 30.92,12.9 35.352,12.9 36.49,14.038 36.49,16.362 35.802,17.05 34.225,17.05 U27.12@34.1,17.175
SPIC_SOMI: J3.b5 U36.7 | length 34.9
  Top Layer w0.25: U36.7@51.325,17.635 51.36,17.6 v1(52.6,17.6)
  Bottom Layer w0.25: v1(52.6,17.6) 65.3,17.6 69.4,13.5 75.5,13.5 76.9,12.1 82.3,12.1 82.8,11.6 82.8,10.75 J3.b5@82.84,10.75
SPIC_SOMI_N: J6.3 R143.1 U36.1 | length 30.2
  Top Layer w0.2: J6.3@32.46,6.73 31.58,5.85 31.58,4.46 31.74,4.3 40.7,4.3 41.9,5.5 41.9,17.4 42.99,18.49 43.59,18.49 R143.1@44.2,19.1 44.8,19.1 45,18.9 45.7,18.9 45.705,18.905 U36.1@45.875,18.905
SPIC_SOMI_P: J6.4 R143.2 U36.2 | length 33.5
  Top Layer w0.2: J6.4@32.46,9.27 31.19,8 31.19,4.298 31.578,3.91 40.862,3.91 42.29,5.338 42.29,17.29 43.1,18.1 43.6,18.1 R143.2@44.2,17.5 44.8,17.5 44.935,17.635 U36.2@45.875,17.635
pads on no net: J3.0 J3.a1 J3.a13 J3.a14 J3.a15 J3.a16 J3.a17 J3.a18 J3.a20 J3.a21 J3.a22 J3.a23 J3.a24 J3.a25 J3.b1 J3.b14 J3.b15 J3.b16 J3.b17 J3.b18 J3.b20 J3.b24 J4.0 J4.a1 J4.a5 J4.a12 J4.a15 J4.a17 J4.b1 J4.b5 J4.b12 J4.b14 J4.b15 J4.b17 J4.b25 U24.1 U24.5 U24.7 U24.8 U27.7 U27.9 U27.10 U36.3 U36.4 U36.6

## Polygon pours and split planes (outlines as drawn)
GND_A on Mid-Layer 1 (split plane): 132.69,0.51 102.052,0.51 102.052,14.5 102.044,14.565 102.018,14.626 101.978,14.678 101.926,14.718 101.865,14.744 101.8,14.752 93.252,14.752 93.252,22 93.244,22.065 93.218,22.126 93.178,22.178 93.126,22.218 93.065,22.244 93,22.252 90.9,22.252 90.835,22.244 90.774,22.218 90.722,22.178 90.682,22.126 90.656,22.065 90.648,22 90.648,14.752 83.752,14.752 83.752,22 83.744,22.065 83.718,22.126 83.678,22.178 83.626,22.218 83.565,22.244 83.5,22.252 81.4,22.252 81.335,22.244 81.274,22.218 81.222,22.178 81.182,22.126 81.156,22.065 81.148,22 81.148,14.752 74.252,14.752 74.252,23.5 74.244,23.565 74.218,23.626 74.178,23.678 74.126,23.718 74.065,23.744 74,23.752 26.5,23.752 26.435,23.744 26.392,23.726 26.374,23.718 26.351,23.701 26.322,23.678 23.822,21.178 20.822,18.178 20.782,18.126 20.756,18.065 20.748,18 20.748,0.51 0.51,0.51 0.51,99.49 132.69,99.49
GND_D on Mid-Layer 1 (split plane): 73.748,14.5 73.756,14.435 73.782,14.374 73.822,14.322 73.874,14.282 73.935,14.256 74,14.248 81.4,14.248 81.465,14.256 81.526,14.282 81.578,14.322 81.618,14.374 81.644,14.435 81.652,14.5 81.652,21.748 83.248,21.748 83.248,14.5 83.256,14.435 83.282,14.374 83.322,14.322 83.374,14.282 83.435,14.256 83.5,14.248 90.9,14.248 90.965,14.256 91.026,14.282 91.078,14.322 91.118,14.374 91.144,14.435 91.152,14.5 91.152,21.748 92.748,21.748 92.748,14.5 92.756,14.435 92.782,14.374 92.822,14.322 92.874,14.282 92.935,14.256 93,14.248 101.548,14.248 101.548,0.51 21.252,0.51 21.252,17.896 24.178,20.822 26.604,23.248 73.748,23.248
+3V3_D on Mid-Layer 2 (split plane): 73.748,14.5 73.756,14.435 73.782,14.374 73.822,14.322 73.874,14.282 73.935,14.256 74,14.248 81.4,14.248 81.465,14.256 81.526,14.282 81.578,14.322 81.618,14.374 81.644,14.435 81.652,14.5 81.652,21.748 83.248,21.748 83.248,14.5 83.256,14.435 83.282,14.374 83.322,14.322 83.374,14.282 83.435,14.256 83.5,14.248 90.9,14.248 90.965,14.256 91.026,14.282 91.078,14.322 91.118,14.374 91.144,14.435 91.152,14.5 91.152,21.748 92.748,21.748 92.748,14.5 92.756,14.435 92.782,14.374 92.822,14.322 92.874,14.282 92.935,14.256 93,14.248 101.548,14.248 101.548,0.51 21.252,0.51 21.252,17.896 26.604,23.248 73.748,23.248
+3V3_A on Mid-Layer 2 (split plane): 132.69,0.51 102.052,0.51 102.052,14.5 102.044,14.565 102.018,14.626 101.978,14.678 101.926,14.718 101.865,14.744 101.8,14.752 93.252,14.752 93.252,22 93.244,22.065 93.218,22.126 93.178,22.178 93.126,22.218 93.065,22.244 93,22.252 90.9,22.252 90.835,22.244 90.774,22.218 90.722,22.178 90.682,22.126 90.656,22.065 90.648,22 90.648,14.752 83.752,14.752 83.752,22 83.744,22.065 83.718,22.126 83.678,22.178 83.626,22.218 83.565,22.244 83.5,22.252 81.4,22.252 81.335,22.244 81.274,22.218 81.222,22.178 81.182,22.126 81.156,22.065 81.148,22 81.148,14.752 74.252,14.752 74.252,23.5 74.244,23.565 74.218,23.626 74.178,23.678 74.126,23.718 74.065,23.744 74,23.752 26.5,23.752 26.435,23.744 26.374,23.718 26.322,23.678 20.822,18.178 20.782,18.126 20.756,18.065 20.748,18 20.748,0.51 0.51,0.51 0.51,99.49 132.69,99.49
REF_1V5 on Mid-Layer 2 (split plane): 95.248,57 95.256,56.935 95.282,56.874 95.322,56.822 95.374,56.782 95.435,56.756 95.5,56.748 107.248,56.748 107.248,55.252 29.752,55.252 29.752,59.248 31.248,59.248 31.248,57 31.256,56.935 31.282,56.874 31.322,56.822 31.374,56.782 31.435,56.756 31.5,56.748 45.5,56.748 45.565,56.756 45.626,56.782 45.678,56.822 45.718,56.874 45.744,56.935 45.752,57 45.752,59.248 47.248,59.248 47.248,57 47.256,56.935 47.282,56.874 47.322,56.822 47.374,56.782 47.435,56.756 47.5,56.748 61.5,56.748 61.565,56.756 61.626,56.782 61.678,56.822 61.718,56.874 61.744,56.935 61.752,57 61.752,59.248 63.248,59.248 63.248,57 63.256,56.935 63.282,56.874 63.322,56.822 63.374,56.782 63.435,56.756 63.5,56.748 77.5,56.748 77.565,56.756 77.626,56.782 77.678,56.822 77.718,56.874 77.744,56.935 77.752,57 77.752,59.248 79.248,59.248 79.248,57 79.256,56.935 79.282,56.874 79.322,56.822 79.374,56.782 79.435,56.756 79.5,56.748 93.5,56.748 93.565,56.756 93.626,56.782 93.678,56.822 93.718,56.874 93.744,56.935 93.752,57 93.752,59.248 95.248,59.248
REF_1V5 on Mid-Layer 2 (split plane): 107.248,81.252 95.5,81.252 95.435,81.244 95.374,81.218 95.322,81.178 95.282,81.126 95.256,81.065 95.248,81 95.248,78.752 93.752,78.752 93.752,81 93.744,81.065 93.718,81.126 93.678,81.178 93.626,81.218 93.565,81.244 93.5,81.252 79.5,81.252 79.435,81.244 79.374,81.218 79.322,81.178 79.282,81.126 79.256,81.065 79.248,81 79.248,78.752 77.752,78.752 77.752,81 77.744,81.065 77.718,81.126 77.678,81.178 77.626,81.218 77.565,81.244 77.5,81.252 63.5,81.252 63.435,81.244 63.374,81.218 63.322,81.178 63.282,81.126 63.256,81.065 63.248,81 63.248,78.752 61.752,78.752 61.752,81 61.744,81.065 61.718,81.126 61.678,81.178 61.626,81.218 61.565,81.244 61.5,81.252 47.5,81.252 47.435,81.244 47.374,81.218 47.322,81.178 47.282,81.126 47.256,81.065 47.248,81 47.248,78.752 45.752,78.752 45.752,81 45.744,81.065 45.718,81.126 45.678,81.178 45.626,81.218 45.565,81.244 45.5,81.252 31.5,81.252 31.435,81.244 31.374,81.218 31.322,81.178 31.282,81.126 31.256,81.065 31.248,81 31.248,78.752 29.752,78.752 29.752,82.748 107.248,82.748
3VREFF on Mid-Layer 2 (split plane): 116.748,89.252 77.752,89.252 77.752,91.048 109,91.048 109.065,91.056 109.126,91.082 109.178,91.122 109.218,91.174 109.244,91.235 109.252,91.3 109.252,95 109.252,95.8 109.244,95.865 109.218,95.926 109.178,95.978 109.126,96.018 109.065,96.044 109,96.052 77.752,96.052 77.752,97.848 116.748,97.848

## Other copper
Mid-Layer 1 (plane layer: these items are gaps in the copper):
  lines w0.5: 21,0 21,18 24,21 26.5,23.5 62,23.5 74,23.5 74,14.5 81.4,14.5 81.4,22 83.5,22 83.5,14.5 90.9,14.5 90.9,22 93,22 93,14.5 101.8,14.5 101.8,0
Mid-Layer 2 (plane layer: these items are gaps in the copper):
  lines w0.5: 21,0 21,18 26.5,23.5 62,23.5 74,23.5 74,14.5 81.4,14.5 81.4,22 83.5,22 83.5,14.5 90.9,14.5 90.9,22 93,22 93,14.5 101.8,14.5 101.8,0.1 101.7,0 ; 95.5,57 107.5,57 ; 95.5,57 95.5,59.5 93.5,59.5 93.5,57 79.5,57 79.5,59.5 77.5,59.5 77.5,57 63.5,57 63.5,59.5 61.5,59.5 61.5,57 47.5,57 47.5,59.5 45.5,59.5 45.5,57 31.5,57 31.5,59.5 29.5,59.5 29.5,55 107.5,55 107.5,57 ; 95.5,57 107.5,57 ; 29.5,78.5 31.5,78.5 31.5,81 45.5,81 45.5,78.5 47.5,78.5 47.5,81 61.5,81 61.5,78.5 63.5,78.5 63.5,81 77.5,81 77.5,78.5 79.5,78.5 79.5,81 93.5,81 93.5,78.5 95.5,78.5 95.5,81 107.5,81 107.5,83 29.5,83 29.5,78.5 ; 77.5,89 117,89 117,98.1 77.5,98.1 77.5,95.8 109,95.8 109,95 109,91.3 77.5,91.3 77.5,89

## Silkscreen, mask and mechanical layers (free items; w line width, h text height)
Top Overlay:
  text "3VREF" at 111.3,86.9 h3
  text "+5V" at 112.4,81.2 h3
  text "REF / 1V5" at 103.8,63.2 h3
  text "GND_A" at 78.8,22.4 h3 r90
  text "GND_D" at 74.4,22.3 h3 r90
  text "3V3_D" at 71.2,22 h3 r90
  text "3V3_A" at 82.3,22 h3 r90
  text "ANAlOG EBS MEZZANINE" at 125,4.5 h3 r90
  text "09.06.2021" at 127.1,4.5 h3 r90
  text "SCH: TD Nanchen Jean" at 129.2,4.5 h3 r90
  text "PCB: GAS" at 131.3,4.5 h3 r90
Mechanical 1:
  the board outline again, w0.25

## Dimensions
75.55,92 to 75.55,8 on Mechanical 5
0,0 to 0,100 on Mechanical 5
109.8,94.9 to 0,100 on Mechanical 5